# Altium PCB ADV7611采集卡.PcbDoc (part 1 of 2) (continued)
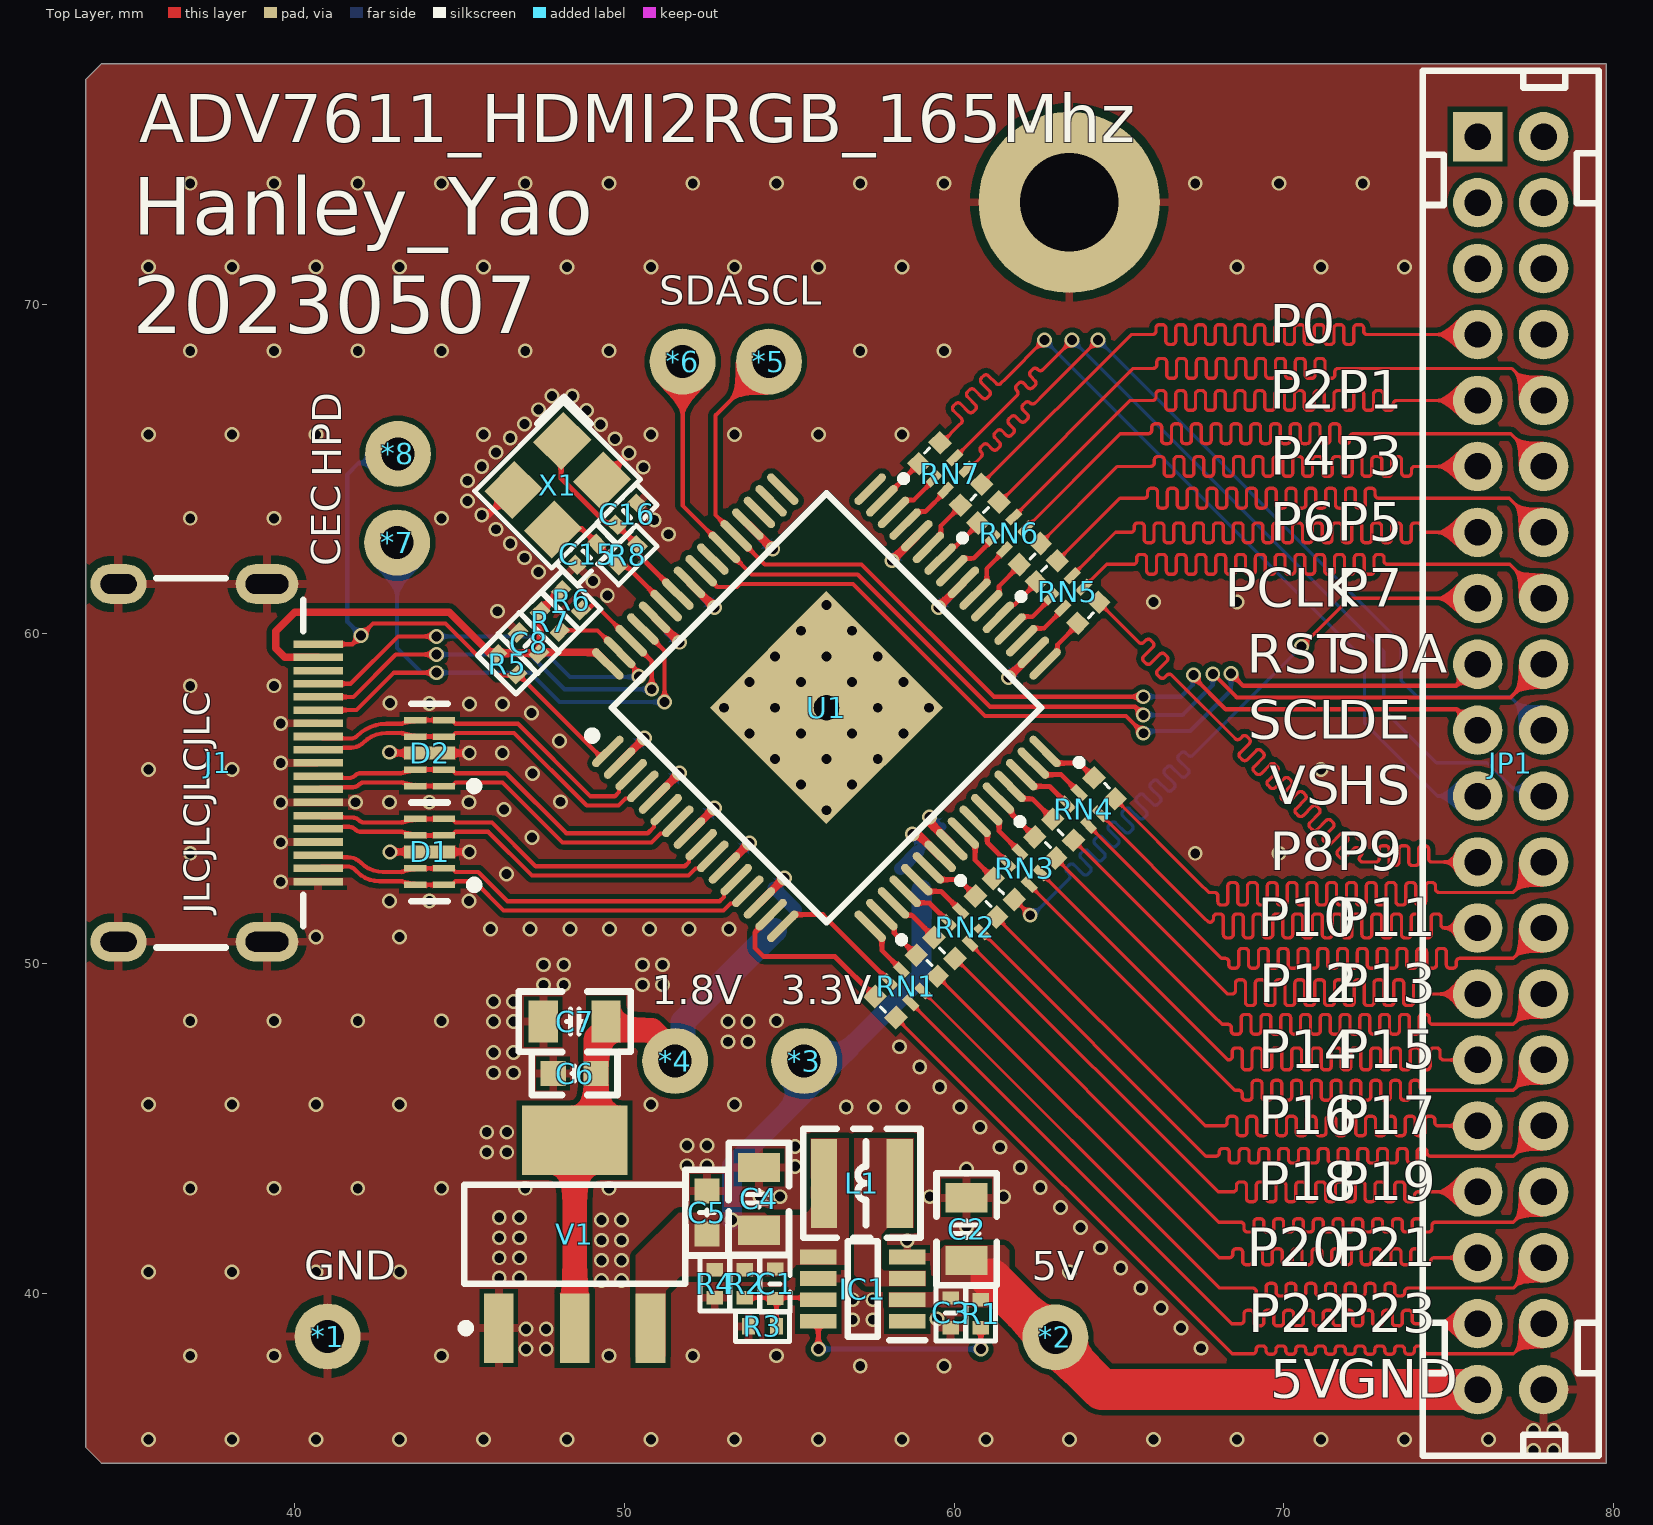
[diagram p0: Top Layer view]
## Nets (pads, with @x,y where several pads share a name; then routed paths per layer and width w, separated by ;. In a path a pad name is that pad's centre, name@x,y a point inside that pad or via, vN(x,y) a via of type N, cw(c..) or ccw(c..) an arc to the next point about the centre after c; other vN are vias at no path point) (continued)
HDMI2RGB_P2: JP1.9 RN6.7 | length 27.7
  Top Layer w0.1: RN6.7@61.809,63.541 65.341,67.074 65.964,67.074 66.014,67.074 ccw(c66.014,67.179) 66.119,67.179 66.119,67.269 cw(c66.224,67.269) 66.224,67.374 66.314,67.374 cw(c66.314,67.269) 66.419,67.269 66.419,66.879 ccw(c66.524,66.879) 66.524,66.774 66.614,66.774 ccw(c66.614,66.879) 66.719,66.879 66.719,67.269 cw(c66.824,67.269) 66.824,67.374 66.914,67.374 cw(c66.914,67.269) 67.019,67.269 67.019,66.879 ccw(c67.124,66.879) 67.124,66.774 67.214,66.774 ccw(c67.214,66.879) 67.319,66.879 67.319,67.269 cw(c67.424,67.269) 67.424,67.374 67.514,67.374 cw(c67.514,67.269) 67.619,67.269 67.619,66.879 ccw(c67.724,66.879) 67.724,66.774 67.814,66.774 ccw(c67.814,66.879) 67.919,66.879 67.919,67.269 cw(c68.024,67.269) 68.024,67.374 68.114,67.374 cw(c68.114,67.269) 68.219,67.269 68.219,66.879 ccw(c68.324,66.879) 68.324,66.774 68.414,66.774 ccw(c68.414,66.879) 68.519,66.879 68.519,67.269 cw(c68.624,67.269) 68.624,67.374 68.714,67.374 cw(c68.714,67.269) 68.819,67.269 68.819,66.879 ccw(c68.924,66.879) 68.924,66.774 69.014,66.774 ccw(c69.014,66.879) 69.119,66.879 69.119,67.269 cw(c69.224,67.269) 69.224,67.374 69.314,67.374 cw(c69.314,67.269) 69.419,67.269 69.419,66.879 ccw(c69.524,66.879) 69.524,66.774 69.614,66.774 ccw(c69.614,66.879) 69.719,66.879 69.719,67.269 cw(c69.824,67.269) 69.824,67.374 69.914,67.374 cw(c69.914,67.269) 70.019,67.269 70.019,66.879 ccw(c70.124,66.879) 70.124,66.774 70.214,66.774 ccw(c70.214,66.879) 70.319,66.879 70.319,67.269 cw(c70.424,67.269) 70.424,67.374 70.514,67.374 cw(c70.514,67.269) 70.619,67.269 70.619,66.879 ccw(c70.724,66.879) 70.724,66.774 70.814,66.774 ccw(c70.814,66.879) 70.919,66.879 70.919,67.269 cw(c71.024,67.269) 71.024,67.374 71.114,67.374 cw(c71.114,67.269) 71.219,67.269 71.219,66.879 ccw(c71.324,66.879) 71.324,66.774 71.414,66.774 ccw(c71.414,66.879) 71.519,66.879 71.519,67.269 cw(c71.624,67.269) 71.624,67.374 71.714,67.374 cw(c71.714,67.269) 71.819,67.269 71.819,66.879 ccw(c71.924,66.879) 71.924,66.774 72.014,66.774 ccw(c72.014,66.879) 72.119,66.879 72.119,67.269 cw(c72.224,67.269) 72.224,67.374 72.314,67.374 cw(c72.314,67.269) 72.419,67.269 72.419,66.879 ccw(c72.524,66.879) 72.524,66.774 72.614,66.774 ccw(c72.614,66.879) 72.719,66.879 72.719,67.269 cw(c72.824,67.269) 72.824,67.374 72.914,67.374 cw(c72.914,67.269) 73.019,67.269 73.019,66.879 ccw(c73.124,66.879) 73.124,66.774 73.214,66.774 ccw(c73.214,66.879) 73.319,66.879 73.319,66.969 cw(c73.424,66.969) 73.424,67.074 73.812,67.074 JP1.9@75.876,67.074
HDMI2RGB_P3: JP1.12 RN6.6 | length 27.4
  Top Layer w0.1: RN6.6@62.162,63.188 65.04,66.065 65.837,66.065 65.887,66.065 ccw(c65.887,66.17) 65.992,66.17 65.992,66.26 cw(c66.097,66.26) 66.097,66.365 66.187,66.365 cw(c66.187,66.26) 66.292,66.26 66.292,65.87 ccw(c66.397,65.87) 66.397,65.765 66.487,65.765 ccw(c66.487,65.87) 66.592,65.87 66.592,66.26 cw(c66.697,66.26) 66.697,66.365 66.787,66.365 cw(c66.787,66.26) 66.892,66.26 66.892,65.87 ccw(c66.997,65.87) 66.997,65.765 67.087,65.765 ccw(c67.087,65.87) 67.192,65.87 67.192,66.26 cw(c67.297,66.26) 67.297,66.365 67.387,66.365 cw(c67.387,66.26) 67.492,66.26 67.492,65.87 ccw(c67.597,65.87) 67.597,65.765 67.687,65.765 ccw(c67.687,65.87) 67.792,65.87 67.792,66.26 cw(c67.897,66.26) 67.897,66.365 67.987,66.365 cw(c67.987,66.26) 68.092,66.26 68.092,65.87 ccw(c68.197,65.87) 68.197,65.765 68.287,65.765 ccw(c68.287,65.87) 68.392,65.87 68.392,66.26 cw(c68.497,66.26) 68.497,66.365 68.587,66.365 cw(c68.587,66.26) 68.692,66.26 68.692,65.87 ccw(c68.797,65.87) 68.797,65.765 68.887,65.765 ccw(c68.887,65.87) 68.992,65.87 68.992,66.26 cw(c69.097,66.26) 69.097,66.365 69.187,66.365 cw(c69.187,66.26) 69.292,66.26 69.292,65.87 ccw(c69.397,65.87) 69.397,65.765 69.487,65.765 ccw(c69.487,65.87) 69.592,65.87 69.592,66.26 cw(c69.697,66.26) 69.697,66.365 69.787,66.365 cw(c69.787,66.26) 69.892,66.26 69.892,65.87 ccw(c69.997,65.87) 69.997,65.765 70.087,65.765 ccw(c70.087,65.87) 70.192,65.87 70.192,66.26 cw(c70.297,66.26) 70.297,66.365 70.387,66.365 cw(c70.387,66.26) 70.492,66.26 70.492,65.87 ccw(c70.597,65.87) 70.597,65.765 70.687,65.765 ccw(c70.687,65.87) 70.792,65.87 70.792,66.26 cw(c70.897,66.26) 70.897,66.365 70.987,66.365 cw(c70.987,66.26) 71.092,66.26 71.092,65.87 ccw(c71.197,65.87) 71.197,65.765 71.287,65.765 ccw(c71.287,65.87) 71.392,65.87 71.392,66.26 cw(c71.497,66.26) 71.497,66.365 71.587,66.365 cw(c71.587,66.26) 71.692,66.26 71.692,65.87 ccw(c71.797,65.87) 71.797,65.765 71.887,65.765 ccw(c71.887,65.87) 71.992,65.87 71.992,65.96 cw(c72.097,65.96) 72.097,66.065 72.39,66.065 76.885,66.065 JP1.12@77.876,65.074
HDMI2RGB_P4: JP1.11 RN6.5 | length 27.4
  Top Layer w0.1: RN6.5@62.613,62.737 64.951,65.074 65.913,65.074 65.963,65.074 ccw(c65.963,65.179) 66.068,65.179 66.068,65.269 cw(c66.173,65.269) 66.173,65.374 66.263,65.374 cw(c66.263,65.269) 66.368,65.269 66.368,64.879 ccw(c66.473,64.879) 66.473,64.774 66.563,64.774 ccw(c66.563,64.879) 66.668,64.879 66.668,65.269 cw(c66.773,65.269) 66.773,65.374 66.863,65.374 cw(c66.863,65.269) 66.968,65.269 66.968,64.879 ccw(c67.073,64.879) 67.073,64.774 67.163,64.774 ccw(c67.163,64.879) 67.268,64.879 67.268,65.269 cw(c67.373,65.269) 67.373,65.374 67.463,65.374 cw(c67.463,65.269) 67.568,65.269 67.568,64.879 ccw(c67.673,64.879) 67.673,64.774 67.763,64.774 ccw(c67.763,64.879) 67.868,64.879 67.868,65.269 cw(c67.973,65.269) 67.973,65.374 68.063,65.374 cw(c68.063,65.269) 68.168,65.269 68.168,64.879 ccw(c68.273,64.879) 68.273,64.774 68.363,64.774 ccw(c68.363,64.879) 68.468,64.879 68.468,65.269 cw(c68.573,65.269) 68.573,65.374 68.663,65.374 cw(c68.663,65.269) 68.768,65.269 68.768,64.879 ccw(c68.873,64.879) 68.873,64.774 68.963,64.774 ccw(c68.963,64.879) 69.068,64.879 69.068,65.269 cw(c69.173,65.269) 69.173,65.374 69.263,65.374 cw(c69.263,65.269) 69.368,65.269 69.368,64.879 ccw(c69.473,64.879) 69.473,64.774 69.563,64.774 ccw(c69.563,64.879) 69.668,64.879 69.668,65.269 cw(c69.773,65.269) 69.773,65.374 69.863,65.374 cw(c69.863,65.269) 69.968,65.269 69.968,64.879 ccw(c70.073,64.879) 70.073,64.774 70.163,64.774 ccw(c70.163,64.879) 70.268,64.879 70.268,65.269 cw(c70.373,65.269) 70.373,65.374 70.463,65.374 cw(c70.463,65.269) 70.568,65.269 70.568,64.879 ccw(c70.673,64.879) 70.673,64.774 70.763,64.774 ccw(c70.763,64.879) 70.868,64.879 70.868,65.269 cw(c70.973,65.269) 70.973,65.374 71.063,65.374 cw(c71.063,65.269) 71.168,65.269 71.168,64.879 ccw(c71.273,64.879) 71.273,64.774 71.363,64.774 ccw(c71.363,64.879) 71.468,64.879 71.468,65.269 cw(c71.573,65.269) 71.573,65.374 71.663,65.374 cw(c71.663,65.269) 71.768,65.269 71.768,64.879 ccw(c71.873,64.879) 71.873,64.774 71.963,64.774 ccw(c71.963,64.879) 72.068,64.879 72.068,65.269 cw(c72.173,65.269) 72.173,65.374 72.263,65.374 cw(c72.263,65.269) 72.368,65.269 72.368,64.879 ccw(c72.473,64.879) 72.473,64.774 72.563,64.774 ccw(c72.563,64.879) 72.668,64.879 72.668,65.269 cw(c72.773,65.269) 72.773,65.374 72.863,65.374 cw(c72.863,65.269) 72.968,65.269 72.968,64.879 ccw(c73.073,64.879) 73.073,64.774 73.163,64.774 ccw(c73.163,64.879) 73.268,64.879 73.268,65.269 cw(c73.373,65.269) 73.373,65.374 73.463,65.374 cw(c73.463,65.269) 73.568,65.269 73.568,64.879 ccw(c73.673,64.879) 73.673,64.774 73.763,64.774 ccw(c73.763,64.879) 73.868,64.879 73.868,64.969 cw(c73.973,64.969) 73.973,65.074 74.193,65.074 JP1.11@75.876,65.074
HDMI2RGB_P5: JP1.14 RN5.8 | length 27.6
  Top Layer w0.1: RN5.8@63.128,62.212 65.025,64.11 65.71,64.11 65.76,64.11 ccw(c65.76,64.215) 65.865,64.215 65.865,64.305 cw(c65.97,64.305) 65.97,64.41 66.06,64.41 cw(c66.06,64.305) 66.165,64.305 66.165,63.915 ccw(c66.27,63.915) 66.27,63.81 66.36,63.81 ccw(c66.36,63.915) 66.465,63.915 66.465,64.305 cw(c66.57,64.305) 66.57,64.41 66.66,64.41 cw(c66.66,64.305) 66.765,64.305 66.765,63.915 ccw(c66.87,63.915) 66.87,63.81 66.96,63.81 ccw(c66.96,63.915) 67.065,63.915 67.065,64.305 cw(c67.17,64.305) 67.17,64.41 67.26,64.41 cw(c67.26,64.305) 67.365,64.305 67.365,63.915 ccw(c67.47,63.915) 67.47,63.81 67.56,63.81 ccw(c67.56,63.915) 67.665,63.915 67.665,64.305 cw(c67.77,64.305) 67.77,64.41 67.86,64.41 cw(c67.86,64.305) 67.965,64.305 67.965,63.915 ccw(c68.07,63.915) 68.07,63.81 68.16,63.81 ccw(c68.16,63.915) 68.265,63.915 68.265,64.305 cw(c68.37,64.305) 68.37,64.41 68.46,64.41 cw(c68.46,64.305) 68.565,64.305 68.565,63.915 ccw(c68.67,63.915) 68.67,63.81 68.76,63.81 ccw(c68.76,63.915) 68.865,63.915 68.865,64.305 cw(c68.97,64.305) 68.97,64.41 69.06,64.41 cw(c69.06,64.305) 69.165,64.305 69.165,63.915 ccw(c69.27,63.915) 69.27,63.81 69.36,63.81 ccw(c69.36,63.915) 69.465,63.915 69.465,64.305 cw(c69.57,64.305) 69.57,64.41 69.66,64.41 cw(c69.66,64.305) 69.765,64.305 69.765,63.915 ccw(c69.87,63.915) 69.87,63.81 69.96,63.81 ccw(c69.96,63.915) 70.065,63.915 70.065,64.305 cw(c70.17,64.305) 70.17,64.41 70.26,64.41 cw(c70.26,64.305) 70.365,64.305 70.365,63.915 ccw(c70.47,63.915) 70.47,63.81 70.56,63.81 ccw(c70.56,63.915) 70.665,63.915 70.665,64.305 cw(c70.77,64.305) 70.77,64.41 70.86,64.41 cw(c70.86,64.305) 70.965,64.305 70.965,63.915 ccw(c71.07,63.915) 71.07,63.81 71.16,63.81 ccw(c71.16,63.915) 71.265,63.915 71.265,64.305 cw(c71.37,64.305) 71.37,64.41 71.46,64.41 cw(c71.46,64.305) 71.565,64.305 71.565,63.915 ccw(c71.67,63.915) 71.67,63.81 71.76,63.81 ccw(c71.76,63.915) 71.865,63.915 71.865,64.305 cw(c71.97,64.305) 71.97,64.41 72.06,64.41 cw(c72.06,64.305) 72.165,64.305 72.165,63.915 ccw(c72.27,63.915) 72.27,63.81 72.36,63.81 ccw(c72.36,63.915) 72.465,63.915 72.465,64.305 cw(c72.57,64.305) 72.57,64.41 72.66,64.41 cw(c72.66,64.305) 72.765,64.305 72.765,64.215 ccw(c72.87,64.215) 72.87,64.11 73.26,64.11 76.841,64.11 JP1.14@77.876,63.074
HDMI2RGB_P6: JP1.13 RN5.7 | length 27.5
  Top Layer w0.1: RN5.7@63.579,61.761 64.892,63.074 65.306,63.074 65.356,63.074 ccw(c65.356,63.179) 65.461,63.179 65.461,63.254 cw(c65.566,63.254) 65.566,63.359 65.656,63.359 cw(c65.656,63.254) 65.761,63.254 65.761,62.864 ccw(c65.866,62.864) 65.866,62.759 65.956,62.759 ccw(c65.956,62.864) 66.061,62.864 66.061,63.254 cw(c66.166,63.254) 66.166,63.359 66.256,63.359 cw(c66.256,63.254) 66.361,63.254 66.361,62.864 ccw(c66.466,62.864) 66.466,62.759 66.556,62.759 ccw(c66.556,62.864) 66.661,62.864 66.661,63.254 cw(c66.766,63.254) 66.766,63.359 66.856,63.359 cw(c66.856,63.254) 66.961,63.254 66.961,62.864 ccw(c67.066,62.864) 67.066,62.759 67.156,62.759 ccw(c67.156,62.864) 67.261,62.864 67.261,63.254 cw(c67.366,63.254) 67.366,63.359 67.456,63.359 cw(c67.456,63.254) 67.561,63.254 67.561,62.864 ccw(c67.666,62.864) 67.666,62.759 67.756,62.759 ccw(c67.756,62.864) 67.861,62.864 67.861,63.254 cw(c67.966,63.254) 67.966,63.359 68.056,63.359 cw(c68.056,63.254) 68.161,63.254 68.161,62.864 ccw(c68.266,62.864) 68.266,62.759 68.356,62.759 ccw(c68.356,62.864) 68.461,62.864 68.461,63.254 cw(c68.566,63.254) 68.566,63.359 68.656,63.359 cw(c68.656,63.254) 68.761,63.254 68.761,62.864 ccw(c68.866,62.864) 68.866,62.759 68.956,62.759 ccw(c68.956,62.864) 69.061,62.864 69.061,63.254 cw(c69.166,63.254) 69.166,63.359 69.256,63.359 cw(c69.256,63.254) 69.361,63.254 69.361,62.864 ccw(c69.466,62.864) 69.466,62.759 69.556,62.759 ccw(c69.556,62.864) 69.661,62.864 69.661,63.254 cw(c69.766,63.254) 69.766,63.359 69.856,63.359 cw(c69.856,63.254) 69.961,63.254 69.961,62.864 ccw(c70.066,62.864) 70.066,62.759 70.156,62.759 ccw(c70.156,62.864) 70.261,62.864 70.261,63.254 cw(c70.366,63.254) 70.366,63.359 70.456,63.359 cw(c70.456,63.254) 70.561,63.254 70.561,62.864 ccw(c70.666,62.864) 70.666,62.759 70.756,62.759 ccw(c70.756,62.864) 70.861,62.864 70.861,63.254 cw(c70.966,63.254) 70.966,63.359 71.056,63.359 cw(c71.056,63.254) 71.161,63.254 71.161,62.864 ccw(c71.266,62.864) 71.266,62.759 71.356,62.759 ccw(c71.356,62.864) 71.461,62.864 71.461,63.254 cw(c71.566,63.254) 71.566,63.359 71.656,63.359 cw(c71.656,63.254) 71.761,63.254 71.761,62.864 ccw(c71.866,62.864) 71.866,62.759 71.956,62.759 ccw(c71.956,62.864) 72.061,62.864 72.061,63.254 cw(c72.166,63.254) 72.166,63.359 72.256,63.359 cw(c72.256,63.254) 72.361,63.254 72.361,62.864 ccw(c72.466,62.864) 72.466,62.759 72.556,62.759 ccw(c72.556,62.864) 72.661,62.864 72.661,63.254 cw(c72.766,63.254) 72.766,63.359 72.856,63.359 cw(c72.856,63.254) 72.961,63.254 72.961,62.864 ccw(c73.066,62.864) 73.066,62.759 73.156,62.759 ccw(c73.156,62.864) 73.261,62.864 73.261,63.254 cw(c73.366,63.254) 73.366,63.359 73.456,63.359 cw(c73.456,63.254) 73.561,63.254 73.561,62.864 ccw(c73.666,62.864) 73.666,62.759 73.756,62.759 ccw(c73.756,62.864) 73.861,62.864 73.861,63.254 cw(c73.966,63.254) 73.966,63.359 74.056,63.359 cw(c74.056,63.254) 74.161,63.254 74.161,63.179 ccw(c74.266,63.179) 74.266,63.074 74.552,63.074 JP1.13@75.876,63.074
HDMI2RGB_P7: JP1.16 RN5.6 | length 27.3
  Top Layer w0.1: RN5.6@63.932,61.407 64.628,62.103 65.38,62.103 65.43,62.103 ccw(c65.43,62.208) 65.535,62.208 65.535,62.298 cw(c65.64,62.298) 65.64,62.403 65.73,62.403 cw(c65.73,62.298) 65.835,62.298 65.835,61.908 ccw(c65.94,61.908) 65.94,61.803 66.03,61.803 ccw(c66.03,61.908) 66.135,61.908 66.135,62.298 cw(c66.24,62.298) 66.24,62.403 66.33,62.403 cw(c66.33,62.298) 66.435,62.298 66.435,61.908 ccw(c66.54,61.908) 66.54,61.803 66.63,61.803 ccw(c66.63,61.908) 66.735,61.908 66.735,62.298 cw(c66.84,62.298) 66.84,62.403 66.93,62.403 cw(c66.93,62.298) 67.035,62.298 67.035,61.908 ccw(c67.14,61.908) 67.14,61.803 67.23,61.803 ccw(c67.23,61.908) 67.335,61.908 67.335,62.298 cw(c67.44,62.298) 67.44,62.403 67.53,62.403 cw(c67.53,62.298) 67.635,62.298 67.635,61.908 ccw(c67.74,61.908) 67.74,61.803 67.83,61.803 ccw(c67.83,61.908) 67.935,61.908 67.935,62.298 cw(c68.04,62.298) 68.04,62.403 68.13,62.403 cw(c68.13,62.298) 68.235,62.298 68.235,61.908 ccw(c68.34,61.908) 68.34,61.803 68.43,61.803 ccw(c68.43,61.908) 68.535,61.908 68.535,62.298 cw(c68.64,62.298) 68.64,62.403 68.73,62.403 cw(c68.73,62.298) 68.835,62.298 68.835,61.908 ccw(c68.94,61.908) 68.94,61.803 69.03,61.803 ccw(c69.03,61.908) 69.135,61.908 69.135,62.298 cw(c69.24,62.298) 69.24,62.403 69.33,62.403 cw(c69.33,62.298) 69.435,62.298 69.435,61.908 ccw(c69.54,61.908) 69.54,61.803 69.63,61.803 ccw(c69.63,61.908) 69.735,61.908 69.735,62.298 cw(c69.84,62.298) 69.84,62.403 69.93,62.403 cw(c69.93,62.298) 70.035,62.298 70.035,61.908 ccw(c70.14,61.908) 70.14,61.803 70.23,61.803 ccw(c70.23,61.908) 70.335,61.908 70.335,62.298 cw(c70.44,62.298) 70.44,62.403 70.53,62.403 cw(c70.53,62.298) 70.635,62.298 70.635,61.908 ccw(c70.74,61.908) 70.74,61.803 70.83,61.803 ccw(c70.83,61.908) 70.935,61.908 70.935,62.298 cw(c71.04,62.298) 71.04,62.403 71.13,62.403 cw(c71.13,62.298) 71.235,62.298 71.235,61.908 ccw(c71.34,61.908) 71.34,61.803 71.43,61.803 ccw(c71.43,61.908) 71.535,61.908 71.535,62.298 cw(c71.64,62.298) 71.64,62.403 71.73,62.403 cw(c71.73,62.298) 71.835,62.298 71.835,61.908 ccw(c71.94,61.908) 71.94,61.803 72.03,61.803 ccw(c72.03,61.908) 72.135,61.908 72.135,62.298 cw(c72.24,62.298) 72.24,62.403 72.33,62.403 cw(c72.33,62.298) 72.435,62.298 72.435,61.908 ccw(c72.54,61.908) 72.54,61.803 72.63,61.803 ccw(c72.63,61.908) 72.735,61.908 72.735,62.298 cw(c72.84,62.298) 72.84,62.403 72.93,62.403 cw(c72.93,62.298) 73.035,62.298 73.035,62.208 ccw(c73.14,62.208) 73.14,62.103 73.562,62.103 76.847,62.103 JP1.16@77.876,61.074
HDMI2RGB_P8: JP1.23 RN5.5 | length 28
  Top Layer w0.1: RN5.5@64.383,60.956 65.565,59.774 65.601,59.739 ccw(c65.675,59.813) 65.749,59.739 65.813,59.802 cw(c65.887,59.728) 65.961,59.802 66.025,59.739 cw(c65.951,59.665) 66.025,59.59 65.749,59.315 ccw(c65.824,59.24) 65.749,59.166 65.813,59.102 ccw(c65.887,59.177) 65.961,59.102 66.237,59.378 ; 66.237,59.378 cw(c66.311,59.304) 66.386,59.378 66.449,59.315 cw(c66.375,59.24) 66.449,59.166 66.174,58.89 ccw(c66.248,58.816) 66.174,58.742 66.237,58.678 ccw(c66.311,58.752) 66.386,58.678 66.449,58.742 cw(c66.524,58.668) 66.598,58.742 66.81,58.53 68.486,56.854 68.521,56.818 ccw(c68.595,56.893) 68.67,56.818 68.733,56.882 cw(c68.808,56.808) 68.882,56.882 68.945,56.818 cw(c68.871,56.744) 68.945,56.67 68.67,56.394 ccw(c68.744,56.32) 68.67,56.246 68.733,56.182 ccw(c68.808,56.256) 68.882,56.182 69.158,56.458 cw(c69.232,56.384) 69.306,56.458 69.37,56.394 cw(c69.295,56.32) 69.37,56.246 69.094,55.97 ccw(c69.168,55.896) 69.094,55.821 69.158,55.758 ccw(c69.232,55.832) 69.306,55.758 69.582,56.034 cw(c69.656,55.959) 69.73,56.034 69.794,55.97 cw(c69.72,55.896) 69.794,55.821 69.518,55.546 ccw(c69.592,55.471) 69.518,55.397 69.582,55.333 ccw(c69.656,55.408) 69.73,55.333 70.006,55.609 cw(c70.08,55.535) 70.155,55.609 70.218,55.546 cw(c70.144,55.471) 70.218,55.397 69.942,55.121 ccw(c70.017,55.047) 69.942,54.973 70.006,54.909 ccw(c70.08,54.983) 70.155,54.909 70.43,55.185 cw(c70.505,55.111) 70.579,55.185 70.643,55.121 cw(c70.568,55.047) 70.643,54.973 70.367,54.697 ccw(c70.441,54.623) 70.367,54.549 70.43,54.485 ccw(c70.505,54.559) 70.579,54.485 70.855,54.761 cw(c70.929,54.686) 71.003,54.761 71.067,54.697 cw(c70.993,54.623) 71.067,54.549 70.791,54.273 ccw(c70.865,54.199) 70.791,54.124 70.855,54.061 ccw(c70.929,54.135) 71.003,54.061 71.279,54.336 cw(c71.353,54.262) 71.427,54.336 71.491,54.273 ; 71.491,54.273 cw(c71.417,54.199) 71.491,54.124 71.215,53.849 ccw(c71.29,53.774) 71.215,53.7 71.279,53.636 ccw(c71.353,53.711) 71.427,53.636 71.703,53.912 cw(c71.777,53.838) 71.852,53.912 71.915,53.849 cw(c71.841,53.774) 71.915,53.7 71.64,53.424 ccw(c71.714,53.35) 71.64,53.276 71.703,53.212 ccw(c71.777,53.286) 71.852,53.212 72.127,53.488 cw(c72.202,53.414) 72.276,53.488 72.34,53.424 cw(c72.265,53.35) 72.34,53.276 72.317,53.253 ccw(c72.391,53.179) 72.391,53.074 72.733,53.074 72.783,53.074 ccw(c72.783,53.179) 72.888,53.179 72.888,53.464 cw(c72.993,53.464) 72.993,53.569 73.083,53.569 cw(c73.083,53.464) 73.188,53.464 73.188,53.074 ccw(c73.293,53.074) 73.293,52.969 73.383,52.969 ccw(c73.383,53.074) 73.488,53.074 73.488,53.464 cw(c73.593,53.464) 73.593,53.569 73.683,53.569 cw(c73.683,53.464) 73.788,53.464 73.788,53.074 ccw(c73.893,53.074) 73.893,52.969 73.983,52.969 ccw(c73.983,53.074) 74.088,53.074 74.088,53.464 cw(c74.193,53.464) 74.193,53.569 74.283,53.569 cw(c74.283,53.464) 74.388,53.464 74.388,53.179 ccw(c74.493,53.179) 74.493,53.074 74.854,53.074 JP1.23@75.876,53.074
HDMI2RGB_P9: JP1.24 RN4.8 | length 27.5
  Top Layer w0.1: RN4.8@64.876,54.992 67.437,52.432 67.715,52.154 67.892,52.154 cw(c67.892,52.049) 67.997,52.049 67.997,51.876 ccw(c68.102,51.876) 68.102,51.771 68.192,51.771 ccw(c68.192,51.876) 68.297,51.876 68.297,52.349 cw(c68.402,52.349) 68.402,52.454 68.492,52.454 cw(c68.492,52.349) 68.597,52.349 68.597,51.876 ccw(c68.702,51.876) 68.702,51.771 68.792,51.771 ccw(c68.792,51.876) 68.897,51.876 68.897,52.349 cw(c69.002,52.349) 69.002,52.454 69.092,52.454 cw(c69.092,52.349) 69.197,52.349 69.197,51.876 ccw(c69.302,51.876) 69.302,51.771 69.392,51.771 ccw(c69.392,51.876) 69.497,51.876 69.497,52.349 cw(c69.602,52.349) 69.602,52.454 69.692,52.454 cw(c69.692,52.349) 69.797,52.349 69.797,51.876 ccw(c69.902,51.876) 69.902,51.771 69.992,51.771 ccw(c69.992,51.876) 70.097,51.876 70.097,52.349 cw(c70.202,52.349) 70.202,52.454 70.292,52.454 cw(c70.292,52.349) 70.397,52.349 70.397,51.876 ccw(c70.502,51.876) 70.502,51.771 70.592,51.771 ccw(c70.592,51.876) 70.697,51.876 70.697,52.349 cw(c70.802,52.349) 70.802,52.454 70.892,52.454 cw(c70.892,52.349) 70.997,52.349 70.997,51.876 ccw(c71.102,51.876) 71.102,51.771 71.192,51.771 ccw(c71.192,51.876) 71.297,51.876 71.297,52.349 cw(c71.402,52.349) 71.402,52.454 71.492,52.454 cw(c71.492,52.349) 71.597,52.349 71.597,51.876 ccw(c71.702,51.876) 71.702,51.771 71.792,51.771 ccw(c71.792,51.876) 71.897,51.876 71.897,52.349 cw(c72.002,52.349) 72.002,52.454 72.092,52.454 cw(c72.092,52.349) 72.197,52.349 72.197,51.876 ccw(c72.302,51.876) 72.302,51.771 72.392,51.771 ccw(c72.392,51.876) 72.497,51.876 72.497,52.349 cw(c72.602,52.349) 72.602,52.454 72.692,52.454 cw(c72.692,52.349) 72.797,52.349 72.797,51.876 ccw(c72.902,51.876) 72.902,51.771 72.992,51.771 ccw(c72.992,51.876) 73.097,51.876 73.097,52.349 cw(c73.202,52.349) 73.202,52.454 73.292,52.454 cw(c73.292,52.349) 73.397,52.349 73.397,51.876 ccw(c73.502,51.876) 73.502,51.771 73.592,51.771 ccw(c73.592,51.876) 73.697,51.876 73.697,52.349 cw(c73.802,52.349) 73.802,52.454 73.892,52.454 cw(c73.892,52.349) 73.997,52.349 73.997,51.876 ccw(c74.102,51.876) 74.102,51.771 74.192,51.771 ccw(c74.192,51.876) 74.297,51.876 74.297,52.349 cw(c74.402,52.349) 74.402,52.454 74.492,52.454 cw(c74.492,52.349) 74.597,52.349 74.597,52.259 ccw(c74.702,52.259) 74.702,52.154 74.949,52.154 76.956,52.154 JP1.24@77.876,53.074